# KiCad board ProDocument_ZYNQ7020_V1_2024-04-10.kicad_pcb (continued)
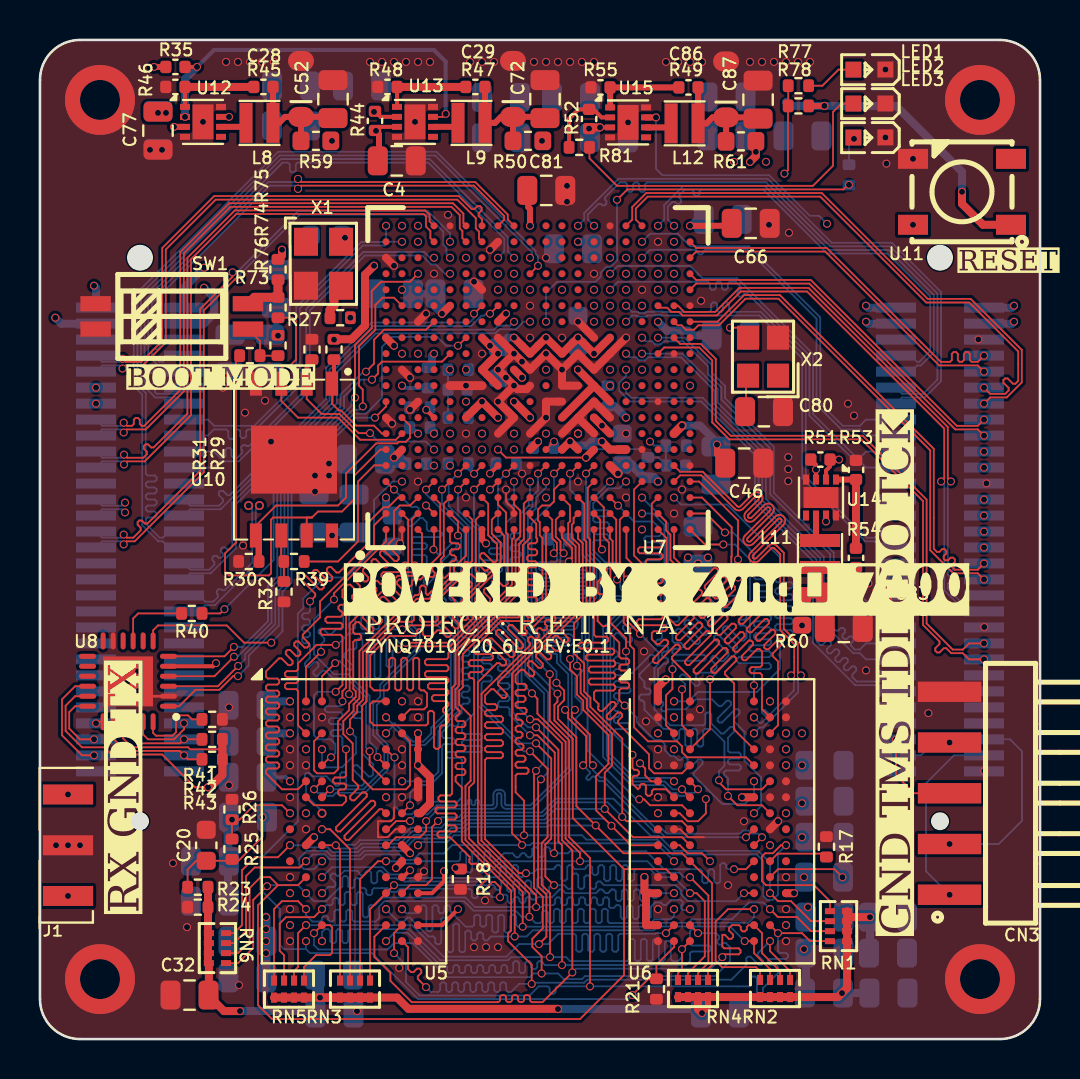
[diagram p0: board, top side]
## Routing (per net, layer and track width the routed paths; a pad name or vN(x,y) marks a point on that pad's centre or on a via; arc(x,y) is an arc through that point) (continued)
DDR_D15: length 26.9
  TOP_GND w0.09: U5.A3 14.1,18.15 v1(14.76,18.81) ; U7.J1 23.7,25.1 23.6,25 23.6,22.75 20.51,19.65 18.58,19.65 18.43,19.5 17.9,19.5 v1(17.9,19.5)
  BOTTOM w0.09: v1(14.76,18.81) 14.86,18.91 14.99,18.91 15.42,18.48 15.55,18.48 15.63,18.56 15.63,18.69 15.2,19.13 15.2,19.25 15.45,19.5 15.73,19.5 15.82,19.59 15.82,19.95 15.91,20.04 16.03,20.04 16.12,19.95 16.12,18.15 16.21,18.06 16.33,18.06 16.42,18.15 16.42,19.95 16.51,20.04 16.63,20.04 16.72,19.95 16.72,18.15 16.81,18.06 16.93,18.06 17.02,18.15 17.02,19.95 17.11,20.04 17.23,20.04 17.32,19.95 17.32,18.7 17.41,18.61 17.53,18.61 17.62,18.7 17.62,19.41 17.71,19.5 v1(17.9,19.5)
DDR_D16: length 30
  TOP_GND w0.09: U7.P1 27.7,20.23 27.79,20.14 28.32,20.14 28.41,20.05 28.41,19.93 28.32,19.84 27.03,19.84 26.94,19.75 26.94,19.63 27.03,19.54 28.62,19.54 28.71,19.45 28.71,19.33 28.62,19.24 27.38,19.24 27.29,19.15 27.29,19.03 27.38,18.94 28.67,18.94 28.76,18.85 28.76,18.73 28.67,18.64 27.53,18.64 27.44,18.55 27.44,18.43 27.53,18.34 28.67,18.34 28.76,18.25 28.76,18.13 28.67,18.04 27.53,18.04 27.44,17.95 27.44,17.83 27.53,17.74 28.67,17.74 28.76,17.65 28.76,17.53 28.67,17.44 27.79,17.44 27.7,17.35 27.7,17 27.92,16.78 27.92,16.65 27.91,16.63 27.91,16.51 27.99,16.42 28.12,16.42 28.57,16.87 28.7,16.87 28.78,16.79 28.78,16.66 28.33,16.21 28.33,16.08 28.42,16 28.55,16 28.89,16.34 29.02,16.34 29.1,16.26 29.1,16.13 28.9,15.93 28.9,15.8 30.45,14.25 30.45,13.55 30.7,13.3 32.1,13.3 U6.E3
DDR_D17: length 26.9
  TOP_GND w0.09: U7.P3 28.19,26.61 28.19,25.11 28.45,24.85 28.45,23.76 28.34,23.65 28.34,23.34 27.88,22.88 27.88,22.35 27.97,22.26 28.2,22.26 28.29,22.17 28.29,22.05 28.2,21.96 27.97,21.96 27.88,21.87 27.88,21.75 27.97,21.66 28.2,21.66 28.29,21.57 28.29,21.45 28.2,21.36 27.97,21.36 27.88,21.27 27.88,20.92 28.13,20.67 28.25,20.67 28.27,20.69 28.4,20.69 28.48,20.6 28.48,20.47 28.47,20.46 28.47,20.33 28.97,19.84 28.97,19.14 29.06,19.05 29.37,19.05 29.46,18.96 29.46,18.84 29.37,18.75 29.06,18.75 28.97,18.66 28.97,18.54 29.06,18.45 29.37,18.45 29.46,18.36 29.46,18.24 29.37,18.15 29.06,18.15 28.97,18.06 28.97,17.94 29.06,17.85 29.37,17.85 29.46,17.76 29.46,17.64 29.37,17.55 29.06,17.55 28.97,17.46 28.97,16.96 v1(29.23,16.69)
  BOTTOM w0.09: v1(35.7,12.9) 35.7,12.23 35.24,11.76 34.11,11.77 32.68,13.2 32.68,13.33 33.13,13.78 33.13,13.91 33.04,13.99 32.92,13.99 32.46,13.54 32.34,13.54 32.25,13.62 32.25,13.75 32.39,13.88 32.39,14.01 32.3,14.1 32.17,14.1 32.04,13.96 31.91,13.96 31.71,14.16 31.53,14.17 31.23,14.47 31.23,14.77 31.04,14.97 30.73,14.97 29.83,15.87 29.83,16.09 v1(29.23,16.69)
DDR_D18: length 26.9
  TOP_GND w0.09: U7.R3 v1(28.9,26.7)
  BOTTOM w0.09: v1(28.9,26.7) 29.7,25.9 30.65,25.9 31.04,25.51 31.04,25.25 30.95,25.16 30.3,25.16 30.21,25.07 30.21,24.95 30.3,24.86 30.95,24.86 31.04,24.77 31.04,24.65 30.95,24.56 30.3,24.56 30.21,24.47 30.21,24.35 30.3,24.26 30.95,24.26 31.04,24.17 31.04,24.05 30.95,23.96 30.3,23.96 30.21,23.87 30.21,23.75 30.3,23.66 30.95,23.66 31.04,23.57 31.04,23.45 30.95,23.36 30.3,23.36 30.21,23.27 30.21,23.15 30.3,23.06 30.95,23.06 31.04,22.97 31.04,22.85 30.95,22.76 30.35,22.76 30.26,22.67 30.26,22.55 30.35,22.46 30.95,22.46 31.04,22.37 31.04,21.89 30.6,21.45 29.62,21.45 28.52,20.35 28.52,14.27 29.71,13.07 31.53,13.07 v1(31.7,12.9)
DDR_D19: length 26.9
  TOP_GND w0.09: v1(33.95,12.95) 33.95,12.85 34.3,12.5 36.1,12.5 U6.F8 ; v1(29.3,19.4) 29.3,20.06 28.52,20.84 28.52,23.58 28.63,23.69 28.63,24.92 28.5,25.05 U7.R1
  BOTTOM w0.09: v1(29.3,19.4) 29.3,18.8 29.42,18.68 29.42,18.55 29.4,18.53 29.4,18.4 29.48,18.32 29.61,18.32 30.52,19.23 30.65,19.23 30.74,19.15 30.74,19.02 29.97,18.25 29.97,18.13 30.22,17.88 30.22,17.63 30.31,17.54 30.44,17.54 30.53,17.45 30.53,17.33 30.44,17.24 30.05,17.24 29.96,17.15 29.96,17.03 30.05,16.94 30.13,16.94 30.22,16.85 30.22,16.48 31.18,15.52 31.57,15.52 31.66,15.43 31.66,15.08 31.75,14.99 31.87,14.99 31.96,15.08 31.96,15.43 32.05,15.52 32.17,15.52 32.26,15.43 32.26,14.73 32.35,14.64 32.47,14.64 32.56,14.73 32.56,15.43 32.65,15.52 32.77,15.52 32.86,15.43 32.86,14.73 32.95,14.64 33.07,14.64 33.16,14.73 33.16,15.43 33.25,15.52 33.58,15.52 34.22,14.88 34.22,13.67 33.95,13.4 v1(33.95,12.95)
DDR_D20: length 26.9
  TOP_GND w0.09: U6.H3 32.1,11.7 30.5,11.7 30.2,12 v1(29.96,12)
  BOTTOM w0.09: v1(29.3,27.9) 28.96,27.57 28.42,27.57 27.66,26.81 27.66,26.55 27.75,26.46 28.36,26.46 28.45,26.37 28.45,26.25 28.36,26.16 27.75,26.16 27.66,26.07 27.66,25.95 27.75,25.86 28.36,25.86 28.45,25.77 28.45,25.65 28.36,25.56 27.75,25.56 27.66,25.47 27.66,25.35 27.75,25.26 28.36,25.26 28.45,25.17 28.45,25.05 28.36,24.96 27.75,24.96 27.66,24.87 27.66,24.46 28.27,23.85 28.88,23.85 28.97,23.76 28.97,23.64 28.88,23.55 28.27,23.55 28.18,23.46 28.18,21.93 27.64,21.38 27.64,19.68 27.38,19.43 27.38,14.44 29.82,12 v1(29.96,12)
DDR_D21: length 26.9
  TOP_GND w0.09: v1(34.4,12.17) 34.86,11.7 36.1,11.7 U6.H8 ; v1(30,20.27) 29.36,20.91 29.36,22.24 30.1,22.97 30.1,23.8 29.7,24.2 29.7,27.5 U7.U4
  BOTTOM w0.09: v1(34.4,12.17) 34.4,13.05 34.31,13.14 34.29,13.14 34.2,13.23 34.2,13.35 34.29,13.44 34.95,13.44 35.04,13.53 35.04,13.65 34.95,13.74 34.49,13.74 34.4,13.83 34.4,13.95 34.49,14.04 34.95,14.04 35.04,14.13 35.04,14.25 34.95,14.34 34.49,14.34 34.4,14.43 34.4,15.08 34.73,15.41 34.73,15.53 34.64,15.62 34.51,15.62 34.19,15.29 34.06,15.29 33.56,15.79 33.56,16.25 33.47,16.34 33.35,16.34 33.26,16.25 33.26,15.79 33.17,15.7 31.51,15.7 30.72,16.49 30.72,18.57 30.92,18.77 30.92,19.35 v1(30,20.27)
DDR_D22: length 26.9
  TOP_GND w0.09: 30.08,26.3 v1(30.1,26.3) ; v1(29.62,14.22) 29.62,13.57 29.71,13.48 29.86,13.48 29.95,13.39 29.95,13.27 29.86,13.18 29.71,13.18 29.62,13.09 29.62,12.78 29.9,12.5 29.99,12.59 29.99,12.68 30.08,12.77 30.2,12.77 30.29,12.68 30.29,12.27 30.38,12.18 30.5,12.18 30.59,12.27 30.59,12.41 30.68,12.5 31.3,12.5 U6.G2
  BOTTOM w0.09: v1(29.62,14.22) 29.62,14.33 28.7,15.25 28.7,15.42 28.79,15.51 29.39,15.51 29.48,15.6 29.48,15.72 29.39,15.81 28.79,15.81 28.7,15.9 28.7,16.02 28.79,16.11 28.89,16.11 28.98,16.2 28.98,16.32 28.89,16.41 28.79,16.41 28.7,16.5 28.7,16.62 28.79,16.71 28.81,16.71 28.9,16.8 28.9,16.92 28.81,17.01 28.79,17.01 28.7,17.1 28.7,17.22 28.79,17.31 29.43,17.31 29.52,17.4 29.52,17.52 29.43,17.61 28.79,17.61 28.7,17.7 28.7,17.82 28.79,17.91 29.23,17.91 29.32,18 29.32,18.12 29.23,18.21 28.79,18.21 28.7,18.3 28.7,18.42 28.79,18.51 28.93,18.51 29.02,18.6 29.02,18.72 28.93,18.81 28.79,18.81 28.7,18.9 28.7,19.02 28.79,19.11 28.81,19.11 28.9,19.2 28.9,19.32 28.81,19.41 28.79,19.41 28.7,19.5 28.7,20.2 28.81,20.31 28.94,20.31 29.39,19.86 29.52,19.86 29.6,19.94 29.6,20.07 29.15,20.52 29.15,20.65 29.24,20.74 29.36,20.74 29.53,20.56 29.66,20.56 29.75,20.65 29.75,20.78 29.58,20.95 29.58,21.08 29.7,21.2 30.6,21.2 31.22,21.82 31.22,25.73 30.65,26.3 v1(30.1,26.3)
DDR_D23: length 26.9
  BOTTOM w0.09: v1(30.1,27.1) 31.4,25.8 31.4,21.58 31.31,21.49 31.18,21.49 31.09,21.4 31.09,21.28 31.18,21.19 31.87,21.19 31.96,21.1 31.96,20.98 31.87,20.89 31.49,20.89 31.1,20.5 31.1,20.08 31.01,19.99 30.88,19.99 30.79,19.9 30.79,19.78 30.88,19.69 31.32,19.69 31.41,19.6 31.41,19.48 31.32,19.39 31.19,19.39 31.1,19.3 31.1,19.18 31.19,19.09 31.32,19.09 31.41,19 31.41,18.88 31.32,18.79 31.19,18.79 30.9,18.5 30.9,17.1 31.16,16.84 31.16,16.71 31.07,16.62 31.07,16.49 31.15,16.41 31.28,16.41 31.37,16.5 32.28,16.5 32.78,17 33.6,17 33.94,16.66 34.07,16.66 34.34,16.93 34.46,16.93 34.55,16.85 34.55,16.72 33.88,16.05 33.88,15.92 33.97,15.84 34.09,15.84 34.76,16.51 34.89,16.51 34.97,16.42 34.97,16.29 34.7,16.02 34.7,15.9 35.22,15.38 35.22,13.93 36.05,13.1 36.05,11.65 v1(35.7,11.3)
DDR_D24: length 30
  TOP_GND w0.09: U6.D7 34.7,15.5 34.7,17.8 34.25,18.25 34.25,18.38 34.81,18.93 34.81,19.06 34.72,19.15 34.59,19.15 33.78,18.33 33.65,18.33 33.57,18.41 33.57,18.54 34.38,19.36 34.38,19.49 34.3,19.57 34.17,19.57 32.89,18.29 32.77,18.29 32.68,18.38 32.68,18.51 33.96,19.78 33.96,19.91 33.87,19.99 33.75,19.99 32.47,18.72 32.34,18.72 32.26,18.8 32.26,18.93 33.53,20.21 33.53,20.33 33.45,20.42 33.32,20.42 32.43,19.53 32.31,19.53 32.22,19.62 32.22,19.74 33.11,20.63 33.11,20.76 33.02,20.84 32.9,20.84 32.01,19.96 31.88,19.96 31.8,20.04 31.8,20.17 32.69,21.06 32.69,21.18 32.6,21.27 32.47,21.27 31.92,20.71 31.79,20.71 31.32,21.18 31.32,25.08 U7.V1
DDR_D25: length 26.9
  TOP_GND w0.09: v1(32.1,17.5) 32.1,15.7 U6.C3 ; v1(34.9,23.1) 34.56,23.44 34.56,24.14 34.58,24.16 34.58,25.61 33.1,27.1 U7.Y3
  BOTTOM w0.09: v1(34.9,23.1) 35.32,22.68 35.32,22.28 35.23,22.19 34.22,22.19 34.13,22.1 34.13,21.98 34.22,21.89 35.23,21.89 35.32,21.8 35.32,21.68 35.23,21.59 34.22,21.59 34.13,21.5 34.13,21.38 34.22,21.29 35.23,21.29 35.32,21.2 35.32,21.08 35.23,20.99 35.02,20.99 34.93,20.9 34.93,20.78 35.02,20.69 35.23,20.69 35.32,20.6 35.32,20.07 35.19,19.94 35.06,19.94 34.35,20.65 34.22,20.65 34.14,20.57 34.14,20.44 34.85,19.73 34.85,19.6 34.76,19.52 34.63,19.52 33.92,20.23 33.8,20.23 33.71,20.14 33.71,20.02 34.42,19.3 34.42,19.18 34.16,18.92 34.03,18.92 33.78,19.17 33.66,19.17 33.57,19.08 33.57,18.96 33.82,18.7 33.82,18.58 33.58,18.34 32.94,18.34 32.8,18.2 32.8,18.07 32.98,17.89 32.98,17.77 32.9,17.68 32.77,17.68 32.21,18.24 32.08,18.24 32,18.16 32,18.03 32.25,17.78 32.25,17.65 v1(32.1,17.5)
DDR_D26: length 30
  TOP_GND w0.09: U6.C8 36.9,15.7 36.9,18.9 36.63,19.17 36.63,19.29 37.15,19.81 37.15,19.94 37.07,20.03 36.94,20.03 36.42,19.51 36.29,19.51 36.21,19.59 36.21,19.72 36.76,20.27 36.76,20.4 36.68,20.49 36.55,20.49 36,19.93 35.87,19.93 35.78,20.02 35.78,20.14 36.45,20.8 36.45,20.93 36.36,21.02 36.23,21.02 35.57,20.35 35.45,20.35 35.36,20.44 35.36,20.57 36.02,21.23 36.02,21.36 35.94,21.44 35.81,21.44 35.15,20.78 35.02,20.78 34.94,20.86 34.94,20.99 35.6,21.65 35.6,21.78 35.51,21.86 35.39,21.86 34.72,21.2 34.6,21.2 34.51,21.29 34.51,21.42 35.17,22.08 35.17,22.2 35.09,22.29 34.96,22.29 34.3,21.63 34.17,21.63 34.09,21.71 34.09,21.84 34.75,22.5 34.75,22.63 34.66,22.71 34.54,22.71 33.88,22.05 33.75,22.05 33.66,22.14 33.66,22.26 34.33,22.93 34.33,23.05 34.24,23.14 34.11,23.14 33.45,22.48 33.32,22.48 33.24,22.56 33.24,22.69 33.9,23.35 33.9,23.48 33.82,23.56 33.69,23.56 33.03,22.9 32.9,22.9 31.7,24.1 U7.W1
DDR_D27: length 26.9
  TOP_GND w0.09: U6.C2 31.3,15.7 31.3,17.2 31.62,17.52 v1(31.62,18.51) ; U7.Y4 32.95,27.9 34.9,25.95 v1(34.9,24)
  BOTTOM w0.09: v1(34.9,24) 34.57,23.67 34.57,23.22 33.5,22.15 33.5,22.02 33.77,21.75 33.77,21.62 33.69,21.54 33.56,21.54 33.29,21.81 33.16,21.81 33.08,21.73 33.08,21.6 33.74,20.94 33.74,20.81 33.65,20.73 33.52,20.73 32.86,21.39 32.74,21.39 32.65,21.3 32.65,21.17 33.38,20.44 33.38,20.32 33.3,20.23 33.17,20.23 32.44,20.96 32.31,20.96 32.23,20.88 32.23,20.75 32.99,19.98 32.99,19.86 32.91,19.77 32.78,19.77 32.02,20.54 31.89,20.54 31.62,20.27 31.62,19.92 31.71,19.83 32.04,19.83 32.13,19.74 32.13,19.62 32.04,19.53 31.71,19.53 31.62,19.44 31.62,19.32 31.71,19.23 33.19,19.23 33.28,19.14 33.28,19.02 33.19,18.93 31.71,18.93 31.62,18.84 v1(31.62,18.51)
DDR_D28: length 26.9
  TOP_GND w0.09: U6.A7 v1(35.7,17.7) ; U7.Y2 33.3,26.3 v1(34.25,25.35)
  BOTTOM w0.09: v1(35.7,17.7) 35.7,18.42 35.79,18.51 36.45,18.51 36.54,18.6 36.54,18.72 36.45,18.81 34.95,18.81 34.86,18.9 34.86,19.02 34.95,19.11 36.45,19.11 36.54,19.2 36.54,19.32 36.45,19.41 35.55,19.41 35.46,19.5 35.46,19.62 35.55,19.71 36.45,19.71 36.54,19.8 36.54,19.92 36.45,20.01 35.79,20.01 35.7,20.1 35.7,20.22 35.79,20.31 36.45,20.31 36.54,20.4 36.54,20.52 36.45,20.61 35.79,20.61 35.7,20.7 35.7,20.82 35.79,20.91 36.45,20.91 36.54,21 36.54,21.12 36.45,21.21 35.79,21.21 35.7,21.3 35.7,21.42 35.79,21.51 36.45,21.51 36.54,21.6 36.54,21.72 36.45,21.81 35.79,21.81 35.7,21.9 35.7,22.02 35.79,22.11 36.45,22.11 36.54,22.2 36.54,22.32 36.45,22.41 35.79,22.41 35.7,22.5 35.7,22.62 35.79,22.71 36.45,22.71 36.54,22.8 36.54,22.92 36.45,23.01 35.79,23.01 35.7,23.1 35.7,23.22 35.79,23.31 36.45,23.31 36.54,23.4 36.54,23.52 36.45,23.61 35.79,23.61 35.7,23.7 35.7,24.3 34.65,25.35 v1(34.25,25.35)
DDR_D29: length 26.9
  BOTTOM w0.09: v1(31.7,27.1) 32.05,26.75 34.35,26.75 37,24.1 37,23.55 37.09,23.46 37.55,23.46 37.64,23.37 37.64,23.25 37.55,23.16 36.85,23.16 36.76,23.07 36.76,22.95 36.85,22.86 37.55,22.86 37.64,22.77 37.64,22.65 37.55,22.56 36.85,22.56 36.76,22.47 36.76,22.35 36.85,22.26 37.55,22.26 37.64,22.17 37.64,22.05 37.55,21.96 36.85,21.96 36.76,21.87 36.76,21.75 36.85,21.66 37.55,21.66 37.64,21.57 37.64,21.45 37.55,21.36 36.85,21.36 36.76,21.27 36.76,21.15 36.85,21.06 37.55,21.06 37.64,20.97 37.64,20.85 37.55,20.76 36.85,20.76 36.76,20.67 36.76,20.55 36.85,20.46 37.55,20.46 37.64,20.37 37.64,20.25 37.55,20.16 37.09,20.16 37,20.07 37,18.53 35.84,17.37 32.89,17.37 32.43,16.9 v1(31.7,16.9)
DDR_D30: length 30
  TOP_GND w0.09: U6.B8 36.1,16.5 36.1,18.22 36.01,18.31 35.57,18.31 35.48,18.4 35.48,18.52 35.57,18.61 36.01,18.61 36.1,18.7 36.1,19.4 35.99,19.51 35.86,19.51 35.3,18.96 35.17,18.96 35.09,19.04 35.09,19.17 35.65,19.73 35.65,19.85 35.56,19.94 35.43,19.94 34.88,19.38 34.75,19.38 34.66,19.47 34.66,19.59 35.22,20.15 35.22,20.28 35.14,20.36 35.01,20.36 34.45,19.81 34.33,19.81 34.24,19.89 34.24,20.02 34.8,20.58 34.8,20.7 34.71,20.79 34.59,20.79 34.03,20.23 33.9,20.23 33.82,20.31 33.82,20.44 34.37,21 34.37,21.13 34.29,21.21 34.16,21.21 33.6,20.65 33.48,20.65 33.39,20.74 33.39,20.87 33.95,21.42 33.95,21.55 33.86,21.64 33.74,21.64 33.18,21.08 33.05,21.08 32.97,21.16 32.97,21.29 33.52,21.85 33.52,21.98 33.44,22.06 33.31,22.06 32.76,21.5 32.63,21.5 32.54,21.59 32.54,21.71 33.1,22.27 33.1,22.4 33.02,22.48 32.89,22.48 32.33,21.93 32.2,21.93 32.12,22.01 32.12,22.14 32.68,22.7 32.68,22.82 32.59,22.91 32.46,22.91 31.91,22.35 31.78,22.35 31.69,22.44 31.69,22.56 32.25,23.12 32.25,23.25 32.17,23.33 32.04,23.33 31.77,23.06 31.64,23.06 31.55,23.14 31.55,23.27 31.83,23.54 31.83,23.67 31.52,23.98 31.52,25.24 31.3,25.46 31.3,25.9 U7.V2
DDR_D31: length 30
  TOP_GND w0.09: U6.A3 32.5,18.1 31.6,19 31.6,19.13 32,19.53 32,19.65 31.92,19.74 31.79,19.74 30.86,18.81 30.74,18.81 30.65,18.9 30.65,19.02 31.4,19.77 31.4,19.9 31.31,19.98 31.19,19.98 30.96,19.76 30.84,19.76 30.59,20.01 30.59,20.32 30.68,20.41 31.24,20.41 31.33,20.5 31.33,20.62 31.24,20.71 29.94,20.71 29.85,20.8 29.85,20.92 29.94,21.01 31.04,21.01 31.13,21.1 31.13,21.22 31.04,21.31 29.94,21.31 29.85,21.4 29.85,21.52 29.94,21.61 31.04,21.61 31.13,21.7 31.13,21.82 31.04,21.91 29.94,21.91 29.85,22 29.85,22.12 29.94,22.21 31.04,22.21 31.13,22.3 31.13,22.42 31.04,22.51 30.24,22.51 30.15,22.6 30.15,22.72 30.24,22.81 31.04,22.81 31.13,22.9 31.13,23.02 31.04,23.11 30.39,23.11 30.3,23.2 30.3,23.32 30.39,23.41 31.04,23.41 31.13,23.5 31.13,23.62 31.04,23.71 30.39,23.71 30.3,23.8 30.3,23.92 30.39,24.01 31.04,24.01 31.13,24.1 31.13,24.22 31.04,24.31 29.99,24.31 29.9,24.4 29.9,24.52 29.99,24.61 31.04,24.61 31.13,24.7 31.13,24.82 31.04,24.91 30.68,24.91 30.59,25 30.59,26.79 U7.V3
DDR_DM0: length 15.2
  TOP_GND w0.09: U5.E7 17.29,13.7 v1(16.88,14.11) ; v1(14.7,22) 14.7,22.31 17.3,24.91 U7.A1
  BOTTOM w0.09: v1(16.88,14.11) 16.88,14.2 16.82,14.26 16.82,14.54 16.48,14.87 16.48,17.17 15.4,18.25 14.7,18.25 13.7,19.25 13.7,21 v1(14.7,22)
DDR_DM1: length 16.9
  TOP_GND w0.09: U7.F1 21.3,24.2 20.7,23.6 20.7,23.28 19.45,22.04 18.83,22.04 16.15,19.35 16.15,16.98 15.86,16.69 15.86,16.35 15.5,15.99 v1(15.5,15.4)
  BOTTOM w0.09: v1(14.1,14.5) 14.1,13.8 14.3,13.6 15.1,13.6 15.8,14.3 15.8,15.1 v1(15.5,15.4)
DDR_DM2: length 17.5
  TOP_GND w0.09: U6.E7 35.3,14.1 32.35,14.1 32.1,14.35 32.1,14.65 31.85,14.9 30.4,14.9 29.7,15.6 29.7,19.5 29.5,19.7 29.5,20.52 29.18,20.83 29.18,22.31 29.8,22.93 29.8,23.6 29.32,24.08 29.32,25.48 U7.T1
DDR_DM3: length 14.4
  TOP_GND w0.09: U6.D3 33.5,15.5 v1(33.5,18) ; v1(34.16,24.75) 33.25,24.75 U7.Y1
  BOTTOM w0.09: v1(34.16,24.75) 34.75,24.75 35.5,24 35.5,20 v1(33.5,18)
DDR_DQS0_N: length 18
  TOP_GND w0.09: U5.G3 v1(14.5,12.5) ; U7.B2 18.41,25.99 18.41,23.85 v1(18.25,23.7)
  BOTTOM w0.09: v1(14.5,12.5) 16.17,12.5 17.21,13.54 17.21,14.66 16.66,15.21 16.66,16.79 17.01,17.14 17.01,17.74 18.81,19.54 18.81,20.26 18.41,20.66 18.41,23.55 v1(18.25,23.7)
DDR_DQS0_P: length 19.3
  TOP_GND w0.09: U5.F3 v1(13.7,12.5) ; v1(18.74,23.7) 18.59,23.85 18.59,25.99 U7.C2
  BOTTOM w0.09: v1(13.7,12.5) 13.88,12.32 14.21,12.32 14.36,12.17 14.64,12.17 14.79,12.32 16.25,12.32 17.39,13.46 17.39,14.74 16.84,15.29 16.84,16.71 17.19,17.06 17.19,17.66 18.99,19.46 18.99,20.33 18.59,20.73 18.59,23.55 v1(18.74,23.7)
DDR_DQS1_N: length 16.1
  TOP_GND w0.09: v1(19.45,21.7) 19.61,21.85 19.61,21.94 21.25,23.58 arc(21.28,23.64) 21.25,23.69 21.23,23.72 arc(21.2,23.78) 21.23,23.84 21.25,23.86 arc(21.31,23.89) 21.37,23.86 21.4,23.84 arc(21.45,23.81) 21.51,23.84 21.61,23.94 21.61,25.99 U7.F2
  BOTTOM w0.09: v1(17.3,16.1) 17.61,15.79 17.74,15.79 18.64,14.89 19.16,14.89 19.56,15.29 19.56,15.59 20.54,16.57 20.54,20.03 19.61,20.96 19.61,21.55 v1(19.45,21.7)
DDR_DQS1_P: length 16.1
  TOP_GND w0.09: v1(19.94,21.7) 19.79,21.86 19.79,21.86 21.79,23.86 21.79,25.99 U7.G2
  BOTTOM w0.09: v1(17.3,15.3) 17.61,15.61 17.66,15.61 18.56,14.71 19.24,14.71 19.74,15.21 19.74,15.51 20.72,16.49 20.72,20.11 19.79,21.04 19.79,21.55 v1(19.94,21.7)
DDR_DQS2_N: length 20.5
  TOP_GND w0.09: U7.T2 28.99,25.99 28.99,23.84 29.19,23.64 29.19,23.15 v1(29.34,23) ; U6.G3 v1(32.1,12.5)
  BOTTOM w0.09: v1(29.34,23) 29.19,22.84 29.19,22.64 arc(29.21,22.59) 29.26,22.57 29.83,22.57 arc(30.01,22.5) 30.08,22.32 30.08,22.24 arc(30.01,22.06) 29.83,21.99 28.62,21.99 arc(28.57,21.97) 28.55,21.92 28.55,21.84 arc(28.57,21.79) 28.62,21.77 28.94,21.77 arc(29.12,21.7) 29.19,21.52 29.19,21.36 28.34,20.51 28.34,14.19 29.64,12.89 31.24,12.89 31.63,12.5 v1(32.1,12.5)
DDR_DQS2_P: length 21.8
  TOP_GND w0.09: v1(28.85,23) 29.01,23.15 29.01,23.56 28.81,23.76 28.81,25.99 U7.R2 ; U6.F3 v1(32.9,12.5)
  BOTTOM w0.09: v1(32.9,12.5) 32.72,12.32 32.39,12.32 32.24,12.17 31.96,12.17 31.81,12.32 31.55,12.32 31.16,12.71 29.56,12.71 28.16,14.12 28.16,20.58 29.01,21.44 29.01,21.52 arc(28.99,21.57) 28.94,21.59 28.62,21.59 arc(28.44,21.66) 28.37,21.84 28.37,21.92 arc(28.44,22.1) 28.62,22.17 29.83,22.17 arc(29.88,22.19) 29.9,22.24 29.9,22.32 arc(29.88,22.37) 29.83,22.39 29.26,22.39 arc(29.08,22.46) 29.01,22.64 29.01,22.84 v1(28.85,23)
DDR_DQS3_N: length 28.5
  TOP_GND w0.09: U7.W4 32.01,28.21 33.06,28.21 34.74,26.54 arc(34.94,26.45) 35.15,26.54 35.76,27.15 arc(35.84,27.18) 35.92,27.15 arc(35.95,27.07) 35.92,27 35.3,26.38 arc(35.22,26.18) 35.3,25.97 arc(35.51,25.89) 35.71,25.97 36.33,26.59 arc(36.41,26.62) 36.48,26.59 arc(36.52,26.51) 36.48,26.43 35.25,25.2 arc(35.17,24.99) 35.25,24.79 arc(35.46,24.7) 35.66,24.79 36.89,26.02 arc(36.97,26.05) 37.05,26.02 arc(37.08,25.94) 37.05,25.87 35.53,24.35 arc(35.45,24.15) 35.53,23.94 arc(35.74,23.86) 35.95,23.94 36.56,24.56 arc(36.64,24.59) 36.72,24.56 37.01,24.26 37.01,20.46 37.71,19.76 37.71,18.36 v1(37.55,18.2)
  BOTTOM w0.09: v1(35.7,16.1) 35.99,15.81 36.06,15.81 36.3,16.05 36.3,16.14 36.1,16.33 36.1,16.42 36.16,16.47 36.24,16.47 36.44,16.28 36.52,16.28 37.69,17.44 37.69,18.06 v1(37.55,18.2)
DDR_DQS3_P: length 28.5
  TOP_GND w0.09: U7.W5 32.01,28.39 33.14,28.39 34.86,26.66 arc(34.94,26.63) 35.02,26.66 35.63,27.28 arc(35.84,27.36) 36.05,27.28 arc(36.13,27.07) 36.05,26.87 35.43,26.25 arc(35.4,26.18) 35.43,26.1 arc(35.51,26.07) 35.58,26.1 36.2,26.71 arc(36.41,26.8) 36.61,26.71 arc(36.7,26.51) 36.61,26.3 35.38,25.07 arc(35.35,24.99) 35.38,24.92 arc(35.46,24.88) 35.53,24.92 36.77,26.15 arc(36.97,26.23) 37.18,26.15 arc(37.26,25.94) 37.18,25.74 35.66,24.22 arc(35.63,24.15) 35.66,24.07 arc(35.74,24.04) 35.82,24.07 36.43,24.68 arc(36.64,24.77) 36.84,24.68 37.19,24.34 37.19,20.54 37.89,19.84 37.89,18.36 v1(38.05,18.2)
  BOTTOM w0.09: v1(38.05,18.2) 37.91,18.06 37.91,17.36 36.14,15.59 35.99,15.59 v1(35.7,15.3)
DDR_ODT: length 46.9
  TOP_GND w0.09: RN6.1 9.7,5.3 10.1,5.7 10.1,8.45 10.75,9.1 11.9,9.1 v1(12.5,9.7) ; U7.N5 v1(26.5,28.3) ; v1(26.5,19.02) 26.5,18.5 26.85,18.15 26.85,17.24 27.16,16.93 27.16,16.48 28.42,15.22 28.42,13.77 27.8,13.15 27.8,11.45 v1(28.57,10.67) 29.55,9.7 U6.K1
  BOTTOM w0.09: v1(28.57,10.67) 28.22,11.03 25.53,11.03 25.31,10.8 21.4,10.8 21.16,10.56 20.55,10.56 20.21,10.21 18.69,10.22 18.07,9.59 16.14,9.59 15.91,9.36 14.62,9.36 14.39,9.59 13.27,9.59 13.16,9.7 v1(12.5,9.7) ; v1(26.5,28.3) 26.5,27.5 27.12,26.88 27.12,24.24 27.64,23.72 27.64,22.15 27.1,21.61 27.1,19.95 26.67,19.53 26.67,19.19 v1(26.5,19.02)
DDR_RAS: length 46.8
  TOP_GND w0.09: U6.J3 32.1,10.9 29.33,10.9 v1(29.11,11.11) 29.11,15.03 27.52,16.63 27.52,17.08 27.21,17.39 27.21,18.79 26.7,19.3 26.7,20.8 27.5,21.6 27.5,25 27.39,25.11 27.39,27.59 U7.P4 ; RN3.2 15.5,9.5 14.5,10.5 v1(14.1,10.5)
  BOTTOM w0.09: v1(14.1,10.5) 14.5,10.5 15.28,9.72 15.76,9.72 15.99,9.95 17.92,9.95 18.54,10.57 20.06,10.58 20.4,10.92 21.01,10.92 21.25,11.16 25.16,11.16 25.85,11.85 28.38,11.85 v1(29.11,11.11)
DDR_RESET: length 50.5
  TOP_GND w0.09: U6.T2 31.7,4.6 30.82,3.72 R21.2 30.42,3.01 29.62,2.21 v1(29.62,2.2)
  BOTTOM w0.09: v1(18.1,27.9) 17.63,27.9 16.7,26.97 16.7,24.5 15.3,23.1 14.23,23.1 13.17,22.04 13.17,21.57 12.89,21.29 12.89,10.91 12.9,10.9 11.01,9.01 11.01,7.48 12,6.5 12,4.7 12.2,4.5 13.3,4.5 ; 13.3,4.5 v1(13.3,4.9) ; 13.3,4.5 13.5,4.3 16.6,4.3 18.9,2 29.42,2 v1(29.62,2.2)
DDR_WE: length 49.6
  TOP_GND w0.09: U7.M5 v1(25.7,28.3) ; v1(25.82,17.83) 26.21,17.44 26.21,16.96 25.9,16.65 25.9,16.02 26.82,15.1 26.82,11.65 v1(27.78,10.69) 29.17,9.3 32.1,9.3 U6.L3 33.6,7.8 33.6,3.7 33.4,3.5 RN4.4
  BOTTOM w0.09: v1(25.82,17.83) 25.82,18.4 24.98,19.24 24.98,20.26 24.58,20.67 24.58,22.39 24.58,22.49 24.58,25.78 25.7,26.9 v1(25.7,28.3) ; v1(14.1,8.9) 13.7,8.5 13.2,8.5 12.96,8.73 12.96,9.04 13.34,9.42 14.31,9.42 14.55,9.18 15.98,9.18 16.21,9.41 18.14,9.41 18.76,10.04 20.28,10.03 20.63,10.38 21.23,10.38 21.47,10.62 25.38,10.62 25.45,10.69 v1(27.78,10.69)
DDRVTT: length 60.7
  TOP_GND w0.3: RN4.5 33.4,1.6 v1(33.1,1.3)
  TOP_GND w0.4: RN4.6 32.9,1.5 v1(33.1,1.3) ; v1(41.5,6.1) 40.4,6.1 40.35,6.05 RN1.6 ; RN1.5 40.35,2.56 v1(40.1,2.3) 39.9,2.1 RN2.5 RN4.5 RN4.8 ; R23.2 8.4,3.84 RN6.5 8.44,2.16 9.2,1.4 v1(10,1.4) ; v1(25.9,1.5) 25.89,1.51 18.42,1.51 17.86,2.07 v1(14,2.07) RN3.5 RN5.8
  BOTTOM w0.4: 13.8,1.3 13.7,1.4 v1(10,1.4) ; 13.8,1.3 13.8,1.3 13.8,3.2 14,3 v1(14,2.07) 14,1.5 13.8,1.3 ; v1(33.1,1.3) 32.9,1.5 v1(25.9,1.5) ; v1(41.5,6.1) 41.5,4.3 ; 41.5,2.3 40.12,2.3
DONE: length 22.5
  TOP_GND w0.09: R77.2 R78.2 37.4,46.69 37.4,43.49 v1(37.22,43.31)
  SIGNAL2 w0.09: v1(37.22,43.31) 36.59,42.68 30.36,42.68 27.36,39.69 27.36,35.76 28.5,34.63 v1(28.5,33.5)
JTAG_TCK: length 51.2
  SIGNAL2 w0.09: v1(21.3,31.9) 21.7,31.5 21.7,30.1 21.9,29.9 24.1,29.9 24.44,29.57 26.64,29.57 26.97,29.9 27.63,29.9 27.96,29.57 32.54,29.57 43.81,18.3 44.2,18.3 45.66,16.84 45.66,15.13 46,14.79 46,7.74 v1(45.48,7.22)
  BOTTOM w0.09: v1(45.48,7.22) 44.3,8.4 44.3,12.8 45.7,14.2 CN1.3
JTAG_TDI: length 34.5
  TOP_GND w0.09: v1(42.8,15) 42.8,13.2 43.7,12.3 CN3.3 45.48,12.7
  SIGNAL2 w0.09: v1(42.8,15) 42.48,15.32 42.48,19.12 32.39,29.2 27.81,29.2 27.48,29.54 27.13,29.54 26.76,29.16 22.44,29.17 v1(22.1,29.5)
JTAG_TDO: length 46.7
  SIGNAL2 w0.09: v1(21.3,29.5) 21.82,28.98 26.32,28.98 26.6,28.7 27.9,28.7 28.23,29.03 32.32,29.03 42.3,19.05 42.3,11.6 44.14,9.76 v1(45.48,9.76)
  BOTTOM w0.09: v1(45.48,9.76) 47.94,9.76 49.1,10.92 49.1,14.4 48.5,15 CN1.5
JTAG_TMS: length 32.6
  TOP_GND w0.09: v1(45.48,14.84) 45.48,15.24
  SIGNAL2 w0.09: v1(45.48,14.84) 45.48,16.77 44.13,18.12 43.73,18.12 32.47,29.38 27.89,29.39 27.55,29.72 27.05,29.72 26.71,29.38 24.36,29.39 24.25,29.5 v1(23.7,29.5)
  BOTTOM w0.09: v1(45.48,14.84) 44.69,14.84 44.05,14.2 CN1.4
MIO7: length 0.8
  TOP_GND w0.2: v1(19.31,31.49) U7.D8
  BOTTOM w0.09: v1(19.31,31.49) 19.42,31.6 R33.2
MIO8: length 0.4
  BOTTOM w0.09: v1(19.7,28.7) 19.6,28.8 R28.2
PG_1V0: length 19.7
  TOP_GND w0.09: v1(20.28,46.3) 20.13,46.15 U13.7
  TOP_GND w0.2: R35.2 v1(7.85,48.65)
  BOTTOM w0.2: v1(7.85,48.65) 8.7,49.5 19.7,49.5 20.28,48.92 v1(20.28,46.3)
  BOTTOM w0.4: v1(7.85,48.65) 7.25,48.05 v1(7.25,46.15)
PG_1V5: length 27.2
  TOP_GND w0.09: 39.3,28.8 R51.2
  TOP_GND w0.2: U14.2 39.3,28.45 39.5,28.65 R51.2
  TOP_GND w0.3: U15.7 v1(30.8,46.13) ; v1(39.95,29) R51.2
  SIGNAL1 w0.09: v1(39.35,40.8) 40.05,40.1 40.05,36.11 39.39,35.45 39.39,29.56 v1(39.95,29)
  BOTTOM w0.09: v1(39.35,40.8) 38.95,41.2 38.49,41.2 36.46,43.23 31.12,43.23 30.8,43.55 v1(30.8,46.12)
PG_1V8: length 66.8
  TOP_GND w0.09: U14.7 v1(39.3,25.9)
  TOP_GND w0.2: R44.2 16.7,46.48 v1(16.7,46.4) 16.78,46.4 17.03,46.15 U13.2
  SIGNAL2 w0.2: v1(16.7,46.4) 17.75,47.45 42.25,47.45 48.31,41.39 48.31,37.36 47.85,36.9 47.85,35 48.7,34.15 48.7,22.6 48.2,22.1 45.5,22.1 42.5,25.1 40.1,25.1 v1(39.3,25.9)
PG_3V3: length 3.8
  TOP_GND w0.2: R81.2 26.45,46.05 26.92,46.53 R52.2 27.67,46.53 28.07,46.13 U15.2
PL_CLK: length 6
  TOP_GND w0.09: v1(34.5,35.6) 34.9,35.6 X2.3
  GND0 w0.09: v1(34.5,35.6) 32.9,35.6 31.8,36.7 v1(30.1,36.7)
PS_CLK: length 11.3
  GND0 w0.09: v1(15.52,36.1) 15.52,35.34 14.86,34.68 14.86,31.54 15.7,30.7 16.7,30.7 17.5,29.9 20.1,29.9 v1(20.5,30.3)
QSPI_CLK: length 2.4
  TOP_GND w0.09: R32.2 12.19,22.91 R39.2 12.06,24.03 U10.6
QSPI_CS: length 5.6
  TOP_GND w0.09: U10.1 14.61,31.79 14.94,31.46 15.05,31.46 15.81,30.7 16.7,30.7 17.1,30.3 U7.A7
  TOP_GND w0.2: R29.2 14.7,32.89 U10.1
QSPI_D0: length 13.3
  TOP_GND w0.09: U7.B8 18.5,30.7 18.5,30.1 18.29,29.89 17.94,29.89 17.86,29.81 16.81,29.81 15.3,28.3 15.3,27.1 14.9,26.7 11.8,26.7 10.79,25.69 U10.5
  TOP_GND w0.3: U10.5 10.95,25.04 R30.2
QSPI_D1: length 9.5
  TOP_GND w0.09: v1(16.5,30.33) 15.93,30.32 14.97,31.28 14.09,31.28 13.33,32.03 U10.2
  TOP_GND w0.2: U10.2 13.33,33.63 13.6,33.9 R31.2
  BOTTOM w0.09: v1(19.7,29.5) 19.3,29.9 16.92,29.9 v1(16.5,30.33)
QSPI_D2: length 12.4
  TOP_GND w0.09: R74.2 12.62,36.1 12.8,35.92 12.8,34 12.5,33.7 12.2,33.7 12.06,33.56 U10.3 12.06,31.93 12.9,31.1 14.9,31.1 16.01,29.99 17.79,29.99 U7.B7
QSPI_D3: length 25.3
  TOP_GND w0.09: U7.A6 17.02,29.5 15.7,28.18 15.7,27 15.1,26.4 13.9,26.4 13.6,26.1 ; 13.6,26.1 13.34,26.1 U10.7 ; 13.6,26.1 11.65,26.1 11.55,26 11.55,23.3 11.45,23.2 9.45,23.2 9.25,23.4 9.25,24.3 9.8,24.85 9.8,34.02 R73.2
SD_CLK: length 3.7
  TOP_GND w0.09: U8.9 4.66,21.05 4.91,21.3 R40.2
SD_CMD: length 27.6
  TOP_GND w0.09: v1(9.7,19.14) 8.72,18.16 U8.4 ; v1(18.9,38.3) 18.5,37.9 17.05,37.9 16.58,37.43 16.58,35.56 15.75,34.73 v1(15.75,32.1)
  BOTTOM w0.09: v1(9.7,19.14) 9.88,19.14 11.58,20.84 11.58,22.6 12.04,23.06 12.04,28.15 15.57,31.68 15.57,31.92 v1(15.75,32.1)
SD_D0: length 24.9
  TOP_GND w0.09: v1(9.7,19.63) 9.23,19.15 6.42,19.15 U8.6 ; v1(16.6,33) 16.9,33.3 16.9,33.7 17.1,33.9 20.1,33.9 U7.E12
  BOTTOM w0.09: v1(9.7,19.63) 10.11,19.63 11.4,20.91 11.4,22.68 11.86,23.14 11.86,28.22 15.2,31.56 15.2,32.15 16.05,33 v1(16.6,33)
SD_D1: length 21.9
  TOP_GND w0.09: U7.A9 17.3,31.65 v1(16.75,31.1) ; U8.7 5.65,20.45 5.9,20.7 9.34,20.7 10.2,19.84 v1(11.56,19.84)
  BOTTOM w0.09: v1(16.75,31.1) 15.75,31.1 12.58,27.93 12.58,22.84 12.12,22.38 12.12,20.39 v1(11.56,19.84)
SD_D2: length 28.7
  TOP_GND w0.09: U7.F13 v1(20.9,34.7) ; U8.1 6.96,16.66 7.78,17.48 8.97,17.48 9.65,18.16 v1(9.9,18.16)
  BOTTOM w0.09: v1(20.9,34.7) 20.3,34.7 19.86,35.14 17.6,35.14 17.1,34.64 17.1,32.1 16.3,31.3 15.7,31.3 12.4,28 12.4,22.92 11.94,22.46 11.94,20.69 10.43,19.18 10.43,18.7 v1(9.9,18.16)
SD_D3: length 26.8
  TOP_GND w0.09: U7.B15 17.7,37.1 17.13,37.1 16.77,36.73 16.77,35.49 15.95,34.67 15.95,32.69 16.14,32.5 v1(16.14,31.66) ; v1(9.91,18.67) 8.89,17.66 U8.3
  BOTTOM w0.09: v1(9.91,18.67) 10.26,19.02 10.25,19.26 11.76,20.76 11.76,22.53 12.22,22.99 12.22,28.07 15.65,31.5 15.98,31.5 v1(16.14,31.66)
SDO_CLK: length 0.4
  TOP_GND w0.09: v1(2.8,15.8) 2.88,15.88 U8.19
SDO_CMD: length 5.7
  TOP_GND w0.09: U8.20 3.66,15.04 4.28,14.42 6.98,14.42 v1(7.2,14.2) 7.4,14 R43.1
SDO_D0: length 3.4
  TOP_GND w0.09: U8.18 1.76,16.66 1.46,16.36 1.46,15.54 2,15 v1(2.7,15)
  BOTTOM w0.09: CN2.6 v1(2.7,15)
SDO_D1: length 5.5
  TOP_GND w0.09: U8.16 1.76,17.66 1.1,17 1.1,15.2 2.1,14.2 v1(2.7,14.2)
  BOTTOM w0.09: v1(2.7,14.2) CN2.4
SDO_D2: length 3.3
  TOP_GND w0.09: U8.23 5.16,15.24 5.4,15 6.7,15 7.2,15.5 v1(7.2,15.8)
SDO_D3: length 4.5
  TOP_GND w0.09: R42.1 v1(7.2,15) 7,14.8 4.9,14.8 4.66,15.04 U8.22
UART1_RX: length 35.6
  SIGNAL2 w0.09: v2(1.4,12.24) 1.43,12.27 1.43,12.73 1.93,13.23 8.64,13.23 10.6,15.19 10.6,20.79 13.28,23.47 13.28,32.63 14.55,33.9 18.5,33.9 v1(18.9,34.3)
UART1_TX: length 42
  SIGNAL2 w0.09: v2(1.4,7.16) 2.9,8.66 2.9,10.6 2,11.5 1.3,11.5 1,11.8 1,12.55 1.85,13.41 8.56,13.41 10.42,15.27 10.42,20.87 13.1,23.54 13.1,32.7 14.48,34.08 17.88,34.08 v1(18.1,34.3)
VREF_DDR: length 73.1
  TOP_GND w0.09: U6.M8 36.9,8.5 39.72,8.5 v1(40.12,8.1) ; v1(12.5,11.3) 12.1,11.7 10.7,11.7 9.98,10.98 v1(9.6,10.98) R25.2
  TOP_GND w0.2: U5.M8 18.15,8.1 v1(18.5,8.45)
  SIGNAL1 w0.2: 19.3,3 19.3,7.2 18.5,8 v1(18.5,8.45) ; 19.3,3 20.9,3 21.9,2 27.9,2 ; 19.3,3 11.1,3 10.1,4 10.1,10.48 v1(9.6,10.98) ; v1(40.12,8.1) 40.12,4.32 38.8,3 28.9,3 27.9,2 ; 27.9,2 29.8,3.9 29.8,10.9 30.2,11.3 v1(30.9,11.3)
  BOTTOM w0.09: v1(9.6,10.98) 9.48,11.1 9.3,11.1 ; 9.1,10.9 9.1,10.7
  BOTTOM w0.4: 9.4,8.9 9.4,8.9 9.4,6.9
  BOTTOM w0.45: 9.4,8.9 9.4,11.02 9.48,11.1
Net-(C28-Pad1): length 6.1
  TOP_GND w0.3: 14.65,46.15 C28.1 ; C28.1 12.25,46.15 11.95,45.85 L8.2 R45.2 ; C28.1 R59.1
Net-(C29-Pad1): length 6.1
  TOP_GND w0.3: R47.2 L9.2 22.75,45.85 23.05,46.15 C29.1 ; 25.25,46.15 C29.1 ; C29.1 R50.1
Net-(C83-Pad1): length 6.1
  TOP_GND w0.3: R54.2 L11.2 39,22.5 C83.1 ; C83.1 R60.1 ; C83.1 39.3,20.6
Net-(C86-Pad1): length 6.1
  TOP_GND w0.3: C86.1 33.63,46.13 33.33,45.83 L12.2 R49.2 ; C86.1 35.9,46.13 ; C86.1 R61.1
Net-(LED1-A): length 2.6
  TOP_GND w0.09: LED1.2 39.93,48.52 39.12,47.71 R77.1
Net-(LED2-A): length 17.7
  TOP_GND w0.09: R81.1 27.47,44.08 28.85,42.7 38.65,42.7 39.65,43.7 39.65,46.4 40.07,46.82 LED2.2 40.7,46.79 40.7,46.69
Net-(LED3-A): length 1.4
  BOTTOM w0.09: R82.1 40.45,44.8 v1(40.7,45.05)
Net-(SW1-B1): length 4
  TOP_GND w0.09: 11.7,37.2 10.8,37.2 SW1.4
  TOP_GND w0.45: SW1.4 10.72,37.12 R74.1 R75.1
Net-(SW1-B2): length 2.6
  TOP_GND w0.09: 12,34.2 R73.1 11,34.93 SW1.3
Net-(U5-ZQ): length 4
  TOP_GND w0.4: v1(17.8,8.56) 18.1,8.86 U5.L8 ; v1(20.78,8.56) 20.97,8.56 R18.1
  SIGNAL1 w0.2: v1(17.8,8.56) 18.08,8.84 18.94,8.84 19,8.9 20.44,8.9 v1(20.78,8.56)
Net-(U6-ZQ): length 3
  TOP_GND w0.09: R17.1 39.15,9.28 36.88,9.28 U6.L8
Net-(U7A-PS_MIO6_500): length 7.8
  TOP_GND w0.09: R39.1 14.9,23.9 15.9,24.9 15.9,27.9 16.71,28.71 17.29,28.71 U7.A5
Net-(U7A-PS_POR_B_500): length 0.5
  BOTTOM w0.2: R36.2 18.6,30.6 v1(18.9,30.3)
Net-(U7B-PS_MIO40_501): length 21.2
  TOP_GND w0.09: v1(16.3,33.4) 16.7,33.8 16.7,35 17.2,35.5 19.3,35.5 U7.D14 ; v1(9.22,21.51) 9.01,21.3 R40.1
  BOTTOM w0.09: v1(9.22,21.51) 11.68,23.97 11.68,28.3 15.02,31.64 15.02,32.25 16.17,33.4 v1(16.3,33.4)
Net-(U7B-PS_MIO_VREF_501): length 2.5
  BOTTOM w0.09: R38.2 v1(20.5,33.5) 20.4,33.4 C48.1 R37.1
Net-(U7B-PS_SRST_B_501): length 1.3
  BOTTOM w0.2: v1(18.1,32.7) 18.22,32.58 R34.1
Net-(U7C-INIT_B_0): length 0.1
  BOTTOM w0.09: v1(28.5,32.7) R1.2
Net-(U7C-PROGRAM_B_0): length 0.9
  TOP_GND w0.09: U7.L6 v1(25.7,29.9)
  BOTTOM w0.09: R2.2 v1(25.7,29.9)
Net-(U7E-PS_DDR_VRN_502): length 1.2
  TOP_GND w0.09: v1(21.7,28.29) 21.7,28.3 U7.G5
  BOTTOM w0.2: v1(21.7,28.29) 21.42,28.57 R20.2
Net-(U7E-PS_DDR_VRP_502): length 1.2
  TOP_GND w0.2: U7.H5 v1(22.5,28.3)
  BOTTOM w0.2: v1(22.5,28.3) 22.6,28.4 22.6,28.6 R19.2
Net-(U7F-PS_DDR_VREF0_502): length 11.5
  TOP_GND w0.09: v1(27.3,29.1) 23.3,29.1 v1(22.9,29.5)
  TOP_GND w0.4: U7.P6 v1(27.3,29.1)
  BOTTOM w0.09: v1(30.5,29.9) 30.7,29.7 R3.1 31.29,28.73 30.91,29.11 R6.2 29.99,29.52 27.72,29.52 v1(27.3,29.1)
Net-(U8-SEL): length 3.9
  TOP_GND w0.09: R41.2 7.6,16 7.4,16.2 7,16.2 6.8,16 6.8,15.35 6.63,15.18 5.8,15.18 5.65,15.33 U8.24
Net-(U12-FB): length 4.4
  TOP_GND w0.2: R46.1 U12.1
  TOP_GND w0.4: R45.1 R46.1
Net-(U12-LX): length 1.3
  TOP_GND w0.3: L8.1 10.1,45.65 U12.6
Net-(U13-FB): length 4.4
  TOP_GND w0.2: U13.1 R48.1
  TOP_GND w0.4: R47.1 R48.1
Net-(U13-LX): length 1.3
  TOP_GND w0.3: L9.1 20.7,45.65 U13.6
Net-(U14-FB): length 4.4
  TOP_GND w0.3: R53.1 U14.1
  TOP_GND w0.4: R54.1 R53.1
Net-(U14-LX): length 1.3
  TOP_GND w0.3: U14.6 38.8,25.15 L11.1
Net-(U15-FB): length 4.4
  TOP_GND w0.3: R49.1 R55.1 U15.1
Net-(U15-LX): length 1.3
  TOP_GND w0.3: L12.1 31.35,45.63 U15.6
Net-(X1-OUT): length 1.8
  TOP_GND w0.45: R27.1 14.5,36.5 14.7,36.7 14.7,37.1 15.05,37.45 X1.3
Net-(X1-VCC):
  vias: v1(15.25,40.1)
Net-(X2-VDD): length 1.8
  TOP_GND w0.09: X2.4 35.3,33.1 35.3,31.4

## Copper pours and planes (outline as drawn; the poured copper is in the pictures)
1.0V on BOTTOM: 12.7,48.3 13.1,48.7 15.5,48.7 15.9,48.3 15.9,44.9 15.7,44.7 13.1,44.7 12.7,45.1
1.0V on SIGNAL1: 26.9,30.9 27.5,31.5 27.48,33.7 26.9,34.35 22.1,34.3 21.9,34.5 21.9,35.1 22.1,35.3 28.5,35.3 28.9,34.9 28.9,30.5 28.5,30.1 21.1,30.1 20.3,30.9 17.1,30.9 12.9,35.1 12.9,45.1 13.3,45.5 14.9,45.5 15.3,45.1 15.3,35.7 18.1,32.9 20.3,32.9 22.3,30.9
1.5V on SIGNAL1: 37,24.5 32.5,29 18,29 16,27 16,20.5 14,18.5 12,18.5 10,16.5 10,4.5 11,3.5 38,3.5 39,4.5 39,21 37,23
1.8V on BOTTOM: 26.25,48.3 26.25,44.3 23.05,44.3 23.05,48.3
1.8V on SIGNAL1: 23.85,45.9 23.85,44.55 23.65,44.35 17.05,44.35 15.5,42.75 15.5,35.7 18.1,33.1 20.3,33.1 22.3,31.1 27.7,31.1 27.9,31.3 27.9,33.9 27.7,34.1 22.9,34.1 18.9,38.1 18.9,41.35 19.25,41.75 25.45,41.75 25.9,42.15 25.9,45.9
3.3V on BOTTOM: 34.45,48.35 37.85,48.35 37.85,43.55 34.45,43.55
3.3V on SIGNAL1: 32.7,29.1 20.7,29.1 19.3,30.5 19.3,40.1 20.5,41.3 29.57,41.3 30.7,42.5 32.3,44.1 36.5,44.1 36.9,43.7 36.9,42.3 36.5,41.9 34.5,41.9 33.3,40.7 33.3,29.7
5V on BOTTOM: 7.65,49.1 7.65,43.9 4.25,43.9 4.25,49.1
5V on SIGNAL1: 49.5,35.5 49.5,48.5 48.5,49.5 1.5,49.5 0.5,48.5 0.5,35.5 8.5,35.5 8.5,43.5 9.5,44.5 39.5,44.5 40.5,43.5 40.5,35.5
GND on TOP_GND, BOTTOM: 50,50 0,50 0,0 50,0
GND on GND0, SIGNAL1, GND1, SIGNAL2: 50,50 0,50 0,0 50,0

## Text on the board
F.Silkscreen: ZYNQ7010/20_6L_DEV:E0.1 | BOOT MODE | RESET | PROJECT: R E T I N A : 1 | RX GND TX | GND TMS TDI TDO TCK | POWERED BY : Zynq™ 7000
